# Allegro board S071AA-0413-20260427.brd (continued)
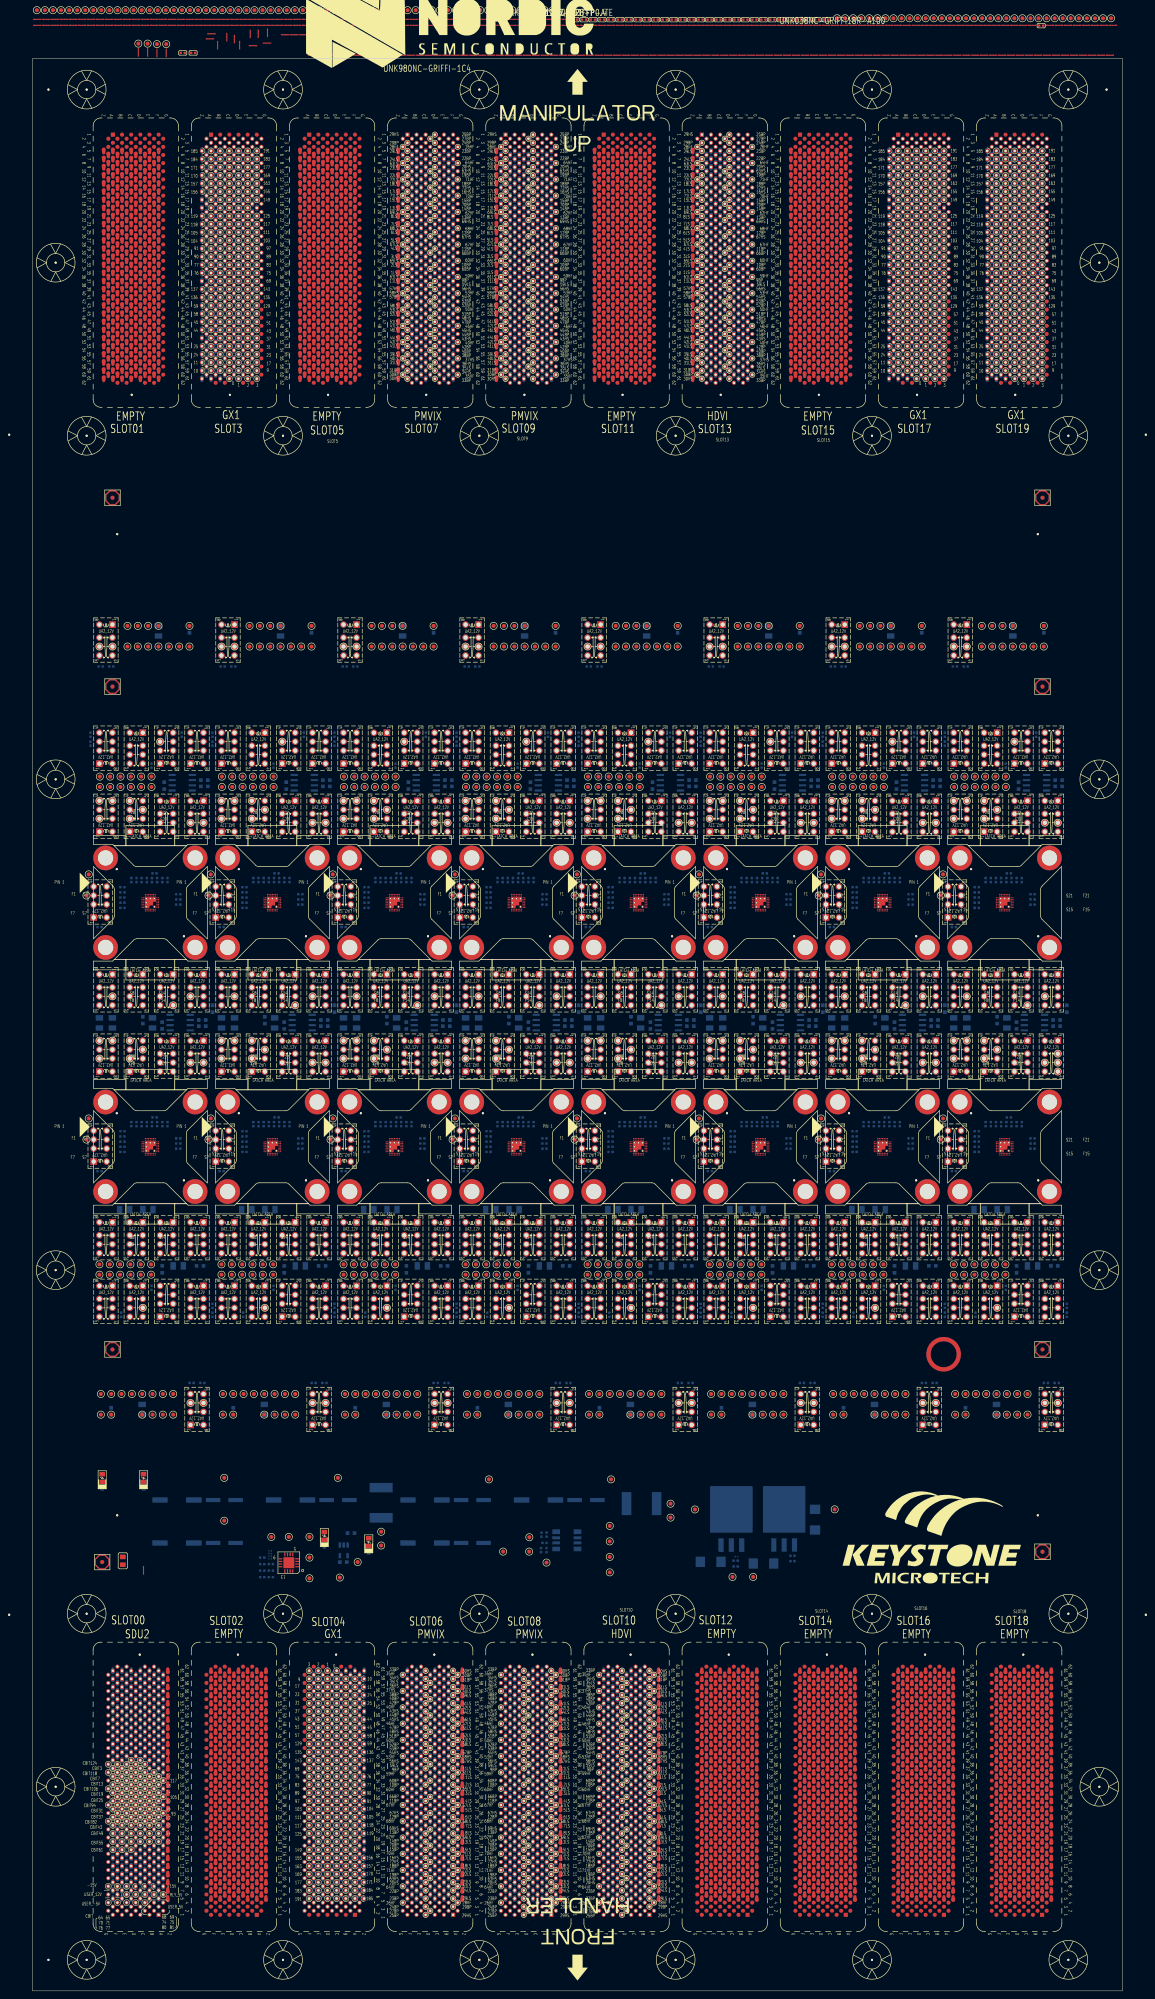
[diagram p0: board, top side]
## Placement (name value [footprint] x y rotation side) (continued)
NOREF#1213  -  []  181.39 301.68 0 top
NOREF#1214  -  []  74.65 82.65 0 top
NOREF#1215  -  []  121.39 233.58 0 top
NOREF#1216  -  []  199.93 18.69 90 top
NOREF#1217  -  []  42.06 165.7 90 top
NOREF#1218  -  []  107.21 143.34 90 top
NOREF#1219  -  []  139.67 183.53 90 top
NOREF#1220  -  []  58.35 267.84 45 top
NOREF#1221  -  []  87.79 209.51 0 top
NOREF#1222  -  []  225.06 209.26 90 top
NOREF#1223  -  []  224.98 281.49 90 top
NOREF#1224  -  []  164.98 250.99 90 top
NOREF#1225  -  []  185.02 284.14 0 top
NOREF#1226  -  []  162.06 185.73 90 top
NOREF#1227  -  []  38.51 115.65 0 top
NOREF#1228  -  []  42.06 246.67 90 top
NOREF#1229  -  []  162.48 225.18 0 top
NOREF#1230  -  []  57.36 208.69 0 top
NOREF#1231  -  []  244.59 181.33 90 top
NOREF#1232  -  []  166.47 301.68 0 top
NOREF#1233  -  []  33.61 203.06 0 top
NOREF#1234  -  []  180.33 266.14 90 top
NOREF#1235  -  []  77.99 196.49 90 top
NOREF#1236  -  []  247.23 259.24 90 top
NOREF#1237  -  []  44.99 223.99 0 top
NOREF#1238  -  []  40.9 179.68 90 top
NOREF#1239  -  []  56.96 268.69 0 top
NOREF#1240  -  []  127.55 263.78 0 top
NOREF#1241  -  []  151.39 292.54 0 top
NOREF#1242  -  []  199.67 332.66 90 top
NOREF#1243  -  []  136.47 229.18 90 top
NOREF#1244  -  []  132.06 165.7 90 top
NOREF#1245  -  []  127.41 115.65 0 top
NOREF#1246  -  []  79.67 244.47 90 top
NOREF#1247  -  []  49.67 332.66 90 top
NOREF#1248  -  []  158.86 139.12 90 top
NOREF#1249  -  []  89.29 267.51 45 top
NOREF#1250  -  []  82.99 188.49 90 top
NOREF#1251  -  []  153.41 293.34 0 top
NOREF#1252  -  []  233.93 173.3 0 top
NOREF#1253  -  []  46.47 301.68 0 top
NOREF#1254  -  []  150.18 265.47 90 top
NOREF#1255  -  []  68.39 253.49 45 top
NOREF#1256  -  []  162.06 246.67 90 top
NOREF#1257  -  []  23.93 231.38 90 top
NOREF#1258  -  []  78.36 164.05 90 top
NOREF#1259  -  []  192.06 181.33 90 top
NOREF#1260  -  []  136.47 288.14 90 top
NOREF#1261  -  []  145.7 198.99 90 top
NOREF#1262  -  []  181.39 171.1 90 top
NOREF#1263  -  []  203.38 284.14 90 top
NOREF#1264  -  []  188.31 138.32 90 top
NOREF#1265  -  []  19.67 332.66 90 top
NOREF#1266  -  []  237.13 244.47 90 top
NOREF#1267  -  []  217.23 259.24 90 top
NOREF#1268  -  []  28.65 266.87 45 top
NOREF#1269  -  []  153.43 179.68 90 top
NOREF#1270  -  []  196.47 188.93 0 top
NOREF#1271  -  []  235.94 189.73 0 top
NOREF#1272  -  []  224.51 263.06 90 top
NOREF#1273  -  []  31.01 266.69 90 top
NOREF#1274  -  []  25.39 17.15 0 top
NOREF#1275  -  []  43.9 18.69 0 top
NOREF#1276  -  []  19.67 328.26 90 top
NOREF#1277  -  []  109.67 183.53 90 top
NOREF#1278  -  []  194.98 221.49 90 top
NOREF#1279  -  []  98.86 304.88 90 top
NOREF#1280  -  []  55.7 258.99 90 top
NOREF#1281  -  []  121.91 17.2 0 top
NOREF#1282  -  []  192.06 225.98 90 top
NOREF#1283  -  []  237.41 300.88 0 top
NOREF#1284  -  []  115.94 250.67 0 top
NOREF#1285  -  []  138.48 189.73 0 top
NOREF#1286  -  []  180.67 176.51 90 top
NOREF#1287  -  []  221.4 298.06 90 top
NOREF#1288  -  []  63.43 164.05 90 top
NOREF#1289  -  []  63.41 189.73 0 top
NOREF#1290  -  []  217.23 199.24 90 top
NOREF#1291  -  []  154.59 287.14 90 top
NOREF#1292  -  []  149.32 208.11 315 top
NOREF#1293  -  []  31.36 110.11 0 top
NOREF#1294  -  []  192.06 284.94 90 top
NOREF#1295  -  []  158.39 193.49 45 top
NOREF#1296  -  []  107.99 196.49 90 top
NOREF#1297  -  []  46.47 284.94 0 top
NOREF#1298  -  []  132.06 289.34 90 top
NOREF#1299  -  []  109.67 242.27 90 top
NOREF#1300  -  []  252.06 289.34 90 top
NOREF#1301  -  []  198.48 189.73 0 top
NOREF#1302  -  []  196.47 173.3 0 top
NOREF#1303  -  []  151.01 266.29 90 top
NOREF#1304  -  []  81.53 76.69 90 top
NOREF#1305  -  []  177.41 138.32 0 top
NOREF#1306  -  []  117.64 268.84 0 top
NOREF#1307  -  []  57.82 107.84 0 top
NOREF#1308  -  []  240.84 164.9 90 top
NOREF#1309  -  []  57.82 106.54 0 top
NOREF#1310  -  []  172.98 248.49 90 top
NOREF#1311  -  []  113.93 225.98 90 top
NOREF#1312  -  []  68.86 139.12 0 top
NOREF#1313  -  []  27.13 303.88 90 top
NOREF#1314  -  []  104.51 263.06 90 top
NOREF#1315  -  []  258.36 224.33 90 top
NOREF#1316  -  []  207.13 170.1 90 top
NOREF#1317  -  []  233.38 225.18 90 top
NOREF#1318  -  []  52.99 248.49 0 top
NOREF#1319  -  []  193.01 240.57 90 top
NOREF#1320  -  []  211.39 301.68 90 top
NOREF#1321  -  []  74.99 253.49 90 top
NOREF#1322  -  []  76.47 225.98 90 top
NOREF#1323  -  []  222.06 170.1 90 top
NOREF#1324  -  []  16.15 123.41 90 top
NOREF#1325  -  []  211.39 168.9 90 top
NOREF#1326  -  []  118.35 207.84 45 top
NOREF#1327  -  []  213.43 240.62 90 top
NOREF#1328  -  []  130.49 14.59 90 top
NOREF#1329  -  []  188.86 249.87 0 top
NOREF#1330  -  []  237.13 170.1 90 top
NOREF#1331  -  []  248.86 188.93 0 top
NOREF#1332  -  []  15.06 207.06 90 top
NOREF#1333  -  []  169.67 167.9 90 top
NOREF#1334  -  []  222.06 225.98 90 top
NOREF#1335  -  []  181.16 295.41 90 top
NOREF#1336  -  []  14.99 190.99 90 top
NOREF#1337  -  []  113.93 225.98 0 top
NOREF#1338  -  []  167.98 256.49 90 top
NOREF#1339  -  []  154.59 228.18 90 top
NOREF#1340  -  []  147.13 301.68 90 top
NOREF#1341  -  []  164.98 253.49 90 top
NOREF#1342  -  []  151.39 188.93 0 top
NOREF#1343  -  []  85.94 189.73 0 top
NOREF#1344  -  []  138.36 179.68 90 top
NOREF#1345  -  []  45.92 284.14 90 top
NOREF#1346  -  []  87.36 208.69 0 top
NOREF#1347  -  []  42.48 284.14 0 top
NOREF#1348  -  []  222.06 287.14 90 top
NOREF#1349  -  []  63.41 250.67 0 top
NOREF#1350  -  []  101.4 296.54 90 top
NOREF#1351  -  []  138.36 240.62 90 top
NOREF#1352  -  []  117.13 185.73 90 top
NOREF#1353  -  []  23.93 225.98 90 top
NOREF#1354  -  []  133.3 120.65 0 top
NOREF#1355  -  []  61.01 266.69 90 top
NOREF#1356  -  []  135.92 225.18 90 top
NOREF#1357  -  []  127.53 113.67 0 top
NOREF#1358  -  []  183.43 179.68 90 top
NOREF#1359  -  []  117.13 246.67 90 top
NOREF#1360  -  []  235.94 234.38 0 top
NOREF#1361  -  []  138.48 174.1 0 top
NOREF#1362  -  []  83.93 229.18 90 top
NOREF#1363  -  []  136.47 284.94 90 top
NOREF#1364  -  []  117.41 300.88 0 top
NOREF#1365  -  []  188.86 304.88 90 top
NOREF#1366  -  []  235.94 250.67 0 top
NOREF#1367  -  []  145.97 240.62 90 top
NOREF#1368  -  []  140.43 396.29 0 top
NOREF#1369  -  []  105.06 263.86 0 top
NOREF#1370  -  []  72.06 246.67 90 top
NOREF#1371  -  []  220.89 224.33 90 top
NOREF#1372  -  []  92.32 110.11 0 top
NOREF#1373  -  []  31.4 188.93 0 top
NOREF#1374  -  []  233.93 284.94 90 top
NOREF#1375  -  []  224.98 283.99 0 top
NOREF#1376  -  []  57.13 167.9 90 top
NOREF#1377  -  []  94.59 242.27 90 top
NOREF#1378  -  []  76.47 288.14 90 top
NOREF#1379  -  []  102.06 185.73 90 top
NOREF#1380  -  []  192.06 289.34 90 top
NOREF#1381  -  []  241.39 304.88 90 top
NOREF#1382  -  []  120.67 176.51 90 top
NOREF#1383  -  []  45.06 203.86 90 top
NOREF#1384  -  []  91.16 295.41 90 top
NOREF#1385  -  []  213.41 293.34 0 top
NOREF#1386  -  []  221.02 189.73 0 top
NOREF#1387  -  []  195.92 300.88 90 top
NOREF#1388  -  []  47.99 218.49 0 top
NOREF#1389  -  []  207.13 303.88 90 top
NOREF#1390  -  []  57.13 183.53 90 top
NOREF#1391  -  []  142.98 188.49 90 top
NOREF#1392  -  []  110.74 275.74 0 top
NOREF#1393  -  []  179.38 269.51 0 top
NOREF#1394  -  []  42.06 170.1 90 top
NOREF#1395  -  []  169.67 328.26 90 top
NOREF#1396  -  []  244.59 183.53 90 top
NOREF#1397  -  []  124.59 246.67 90 top
NOREF#1398  -  []  27.36 208.69 0 top
NOREF#1399  -  []  117.36 208.69 0 top
NOREF#1400  -  []  87.13 246.67 90 top
NOREF#1401  -  []  38.86 304.88 90 top
NOREF#1402  -  []  253.01 240.57 90 top
NOREF#1403  -  []  191.02 250.67 0 top
NOREF#1404  -  []  38.86 188.93 0 top
NOREF#1405  -  []  108.36 240.62 90 top
NOREF#1406  -  []  70.89 224.33 90 top
NOREF#1407  -  []  131.02 189.73 0 top
NOREF#1408  -  []  16.47 229.18 90 top
NOREF#1409  -  []  78.36 224.33 90 top
NOREF#1410  -  []  41.02 189.73 0 top
NOREF#1411  -  []  235.7 258.99 90 top
NOREF#1412  -  []  123.41 234.38 0 top
NOREF#1413  -  []  27.13 301.68 90 top
NOREF#1414  -  []  118.37 207.15 315 top
NOREF#1415  -  []  143.93 173.3 0 top
NOREF#1416  -  []  196.47 231.38 90 top
NOREF#1417  -  []  26.31 127.85 0 top
NOREF#1418  -  []  49.67 170.1 90 top
NOREF#1419  -  []  34.6 228.18 90 top
NOREF#1420  -  []  42.06 244.47 90 top
NOREF#1421  -  []  179.38 209.51 0 top
NOREF#1422  -  []  75.06 203.86 0 top
NOREF#1423  -  []  112.99 248.49 0 top
NOREF#1424  -  []  120.65 236.45 90 top
NOREF#1425  -  []  236.95 456.29 0 top
NOREF#1426  -  []  195.06 269.26 90 top
NOREF#1427  -  []  91.01 206.29 90 top
NOREF#1428  -  []  135.06 263.86 90 top
NOREF#1429  -  []  194.98 253.49 90 top
NOREF#1430  -  []  207.13 244.47 90 top
NOREF#1431  -  []  27.13 244.47 90 top
NOREF#1432  -  []  218.86 144.52 90 top
NOREF#1433  -  []  17.99 196.49 90 top
NOREF#1434  -  []  128.86 301.68 90 top
NOREF#1435  -  []  0 474.98 0 top
NOREF#1436  -  []  161.02 189.73 0 top
NOREF#1437  -  []  60.84 164.9 90 top
NOREF#1438  -  []  191.02 189.73 0 top
NOREF#1439  -  []  248.86 301.68 0 top
NOREF#1440  -  []  46.47 173.3 0 top
NOREF#1441  -  []  225.06 267.06 90 top
NOREF#1442  -  []  20.49 270.77 0 top
NOREF#1443  -  []  150.18 265.86 90 top
NOREF#1444  -  []  225.06 203.86 90 top
NOREF#1445  -  []  102.06 242.27 90 top
NOREF#1446  -  []  168.48 174.1 0 top
NOREF#1447  -  []  199.67 328.26 90 top
NOREF#1448  -  []  28.53 240.62 90 top
NOREF#1449  -  []  58.37 267.15 315 top
NOREF#1450  -  []  74.51 203.06 90 top
NOREF#1451  -  []  95.02 300.88 0 top
NOREF#1452  -  []  178.44 389.27 90 top
NOREF#1453  -  []  160.9 237.58 90 top
NOREF#1454  -  []  72.06 183.53 90 top
NOREF#1455  -  []  198.48 310.08 0 top
NOREF#1456  -  []  77.04 456.29 0 top
NOREF#1457  -  []  49.67 165.7 90 top
NOREF#1458  -  []  214.59 246.67 90 top
NOREF#1459  -  []  42.06 242.27 90 top
NOREF#1460  -  []  81.92 389.27 90 top
NOREF#1461  -  []  187.23 199.24 90 top
NOREF#1462  -  []  205.97 240.62 90 top
NOREF#1463  -  []  250.89 237.58 90 top
NOREF#1464  -  []  258.36 240.62 90 top
NOREF#1465  -  []  222.06 284.94 90 top
NOREF#1466  -  []  155.02 300.88 0 top
NOREF#1467  -  []  42.06 181.33 90 top
NOREF#1468  -  []  218.86 139.12 90 top
NOREF#1469  -  []  207.78 269.51 0 top
NOREF#1470  -  []  202.98 248.49 90 top
NOREF#1471  -  []  158.31 138.32 90 top
NOREF#1472  -  []  153.61 263.06 0 top
NOREF#1473  -  []  93.43 164.05 90 top
NOREF#1474  -  []  218.86 139.12 0 top
NOREF#1475  -  []  117.79 209.51 0 top
NOREF#1476  -  []  138.36 164.05 90 top
NOREF#1477  -  []  147.79 209.51 0 top
NOREF#1478  -  []  17.99 256.49 90 top
NOREF#1479  -  []  123.41 293.34 0 top
NOREF#1480  -  []  164.56 456.29 90 top
NOREF#1481  -  []  47.99 196.49 90 top
NOREF#1482  -  []  58.35 207.84 315 top
NOREF#1483  -  []  235.7 198.99 90 top
NOREF#1484  -  []  123.43 179.68 90 top
NOREF#1485  -  []  42.06 287.14 90 top
NOREF#1486  -  []  184.59 287.14 90 top
NOREF#1487  -  []  135.06 267.06 90 top
NOREF#1488  -  []  19.67 181.33 90 top
NOREF#1489  -  []  247.55 263.78 0 top
NOREF#1490  -  []  162.06 244.47 90 top
NOREF#1491  -  []  135.06 203.86 0 top
NOREF#1492  -  []  68.86 292.54 0 top
NOREF#1493  -  []  98.86 188.93 0 top
NOREF#1494  -  []  70.9 237.58 90 top
NOREF#1495  -  []  31.4 301.68 0 top
NOREF#1496  -  []  169.94 164.9 0 top
NOREF#1497  -  []  175.97 326.61 90 top
NOREF#1498  -  []  211.39 165.7 90 top
NOREF#1499  -  []  30 300.03 90 top
NOREF#1500  -  []  139.67 170.1 90 top
NOREF#1501  -  []  27.13 167.9 90 top
NOREF#1502  -  []  239.32 208.11 315 top
NOREF#1503  -  []  79.67 183.53 90 top
NOREF#1504  -  []  23.93 290.34 90 top
NOREF#1505  -  []  59.39 209.51 0 top
NOREF#1506  -  []  107.99 256.49 90 top
NOREF#1507  -  []  106.47 188.93 0 top
NOREF#1508  -  []  74.99 221.49 90 top
NOREF#1509  -  []  197.98 218.49 0 top
NOREF#1510  -  []  13.66 262.21 0 top
NOREF#1511  -  []  185.02 300.88 0 top
NOREF#1512  -  []  162.06 183.53 90 top
NOREF#1513  -  []  173.38 225.18 90 top
NOREF#1514  -  []  48.48 250.67 0 top
NOREF#1515  -  []  241.39 307.08 90 top
NOREF#1516  -  []  46.47 290.34 90 top
NOREF#1517  -  []  211.68 19.69 90 top
NOREF#1518  -  []  70.76 113.63 0 top
NOREF#1519  -  []  74.51 263.06 90 top
NOREF#1520  -  []  191.02 336.66 0 top
NOREF#1521  -  []  19.67 330.46 90 top
NOREF#1522  -  []  207.13 181.33 90 top
NOREF#1523  -  []  162.06 170.1 90 top
NOREF#1524  -  []  61.4 301.68 90 top
NOREF#1525  -  []  23.93 188.93 0 top
NOREF#1526  -  []  226.47 301.68 0 top
NOREF#1527  -  []  134.98 221.49 90 top
NOREF#1528  -  []  153.61 203.06 0 top
NOREF#1529  -  []  101.17 456.29 0 top
NOREF#1530  -  []  68.66 177.76 90 top
NOREF#1531  -  []  29.32 208.11 315 top
NOREF#1532  -  []  38.86 249.87 0 top
NOREF#1533  -  []  76.47 335.86 0 top
NOREF#1534  -  []  135.06 207.06 90 top
NOREF#1535  -  []  31.4 165.7 90 top
NOREF#1536  -  []  150.33 266.14 90 top
NOREF#1537  -  []  199.94 164.9 0 top
NOREF#1538  -  []  39.06 458.49 0 top
NOREF#1539  -  []  251.16 389.27 90 top
NOREF#1540  -  []  72.06 284.94 90 top
NOREF#1541  -  []  178.35 267.84 315 top
NOREF#1542  -  []  222.06 289.34 90 top
NOREF#1543  -  []  15.07 251.52 0 top
NOREF#1544  -  []  46.47 231.38 90 top
NOREF#1545  -  []  42.61 174.1 0 top
NOREF#1546  -  []  113.93 309.28 0 top
NOREF#1547  -  []  206.96 268.69 0 top
NOREF#1548  -  []  127.23 259.24 90 top
NOREF#1549  -  []  210.33 206.14 90 top
NOREF#1550  -  []  166.47 307.08 90 top
NOREF#1551  -  []  192.06 165.7 90 top
NOREF#1552  -  []  177.13 165.7 90 top
NOREF#1553  -  []  25.7 258.99 90 top
NOREF#1554  -  []  237.13 303.88 90 top
NOREF#1555  -  []  228.36 179.68 90 top
NOREF#1556  -  []  115.88 237.76 90 top
NOREF#1557  -  []  166.47 225.98 90 top
NOREF#1558  -  []  49.95 300.88 0 top
NOREF#1559  -  []  218.86 142.32 90 top
NOREF#1560  -  []  207.13 306.08 90 top
NOREF#1561  -  []  244.59 284.94 90 top
NOREF#1562  -  []  98.66 177.76 90 top
NOREF#1563  -  []  177.13 167.9 90 top
NOREF#1564  -  []  103.42 454.29 90 top
NOREF#1565  -  []  73.65 17.15 90 top
NOREF#1566  -  []  229.67 167.9 90 top
NOREF#1567  -  []  145.94 250.67 0 top
NOREF#1568  -  []  71.02 189.73 0 top
NOREF#1569  -  []  218.66 177.76 90 top
NOREF#1570  -  []  175.94 293.34 0 top
NOREF#1571  -  []  228.36 240.62 90 top
NOREF#1572  -  []  125.02 225.18 0 top
NOREF#1573  -  []  233.93 249.87 0 top
NOREF#1574  -  []  197.98 256.49 90 top
NOREF#1575  -  []  203.93 231.38 90 top
NOREF#1576  -  []  45.06 267.06 90 top
NOREF#1577  -  []  117.13 242.27 90 top
NOREF#1578  -  []  23.93 173.3 0 top
NOREF#1579  -  []  207.63 268.84 0 top
NOREF#1580  -  []  165.06 263.86 0 top
NOREF#1581  -  []  38.86 139.12 90 top
NOREF#1582  -  []  88.37 207.15 315 top
NOREF#1583  -  []  94.59 284.94 90 top
NOREF#1584  -  []  183.43 164.05 90 top
NOREF#1585  -  []  92.32 120.65 0 top
NOREF#1586  -  []  196.47 284.94 90 top
NOREF#1587  -  []  109.94 300.88 0 top
NOREF#1588  -  []  175.7 198.99 90 top
NOREF#1589  -  []  151.01 206.29 90 top
NOREF#1590  -  []  241.01 266.29 90 top
NOREF#1591  -  []  190.89 240.62 90 top
NOREF#1592  -  []  120.26 120.65 0 top
NOREF#1593  -  []  75.06 263.86 0 top
NOREF#1594  -  []  147.13 244.47 90 top
NOREF#1595  -  []  218.39 253.49 45 top
NOREF#1596  -  []  77.03 18.69 0 top
NOREF#1597  -  []  23.93 309.28 0 top
NOREF#1598  -  []  112.99 188.49 0 top
NOREF#1599  -  []  196.47 288.14 90 top
NOREF#1600  -  []  211.39 188.93 0 top
NOREF#1601  -  []  101.02 189.73 0 top
NOREF#1602  -  []  116.96 208.69 0 top
NOREF#1603  -  []  85.97 326.61 90 top
NOREF#1604  -  []  167.98 278.49 0 top
NOREF#1605  -  []  87.13 181.33 90 top
NOREF#1606  -  []  172.98 188.49 0 top
NOREF#1607  -  []  211.39 233.58 0 top
NOREF#1608  -  []  191.02 174.1 0 top
NOREF#1609  -  []  109.67 328.26 90 top
NOREF#1610  -  []  115.94 189.73 0 top
NOREF#1611  -  []  214.59 289.34 90 top
NOREF#1612  -  []  217.55 263.78 0 top
NOREF#1613  -  []  83.93 290.34 90 top
NOREF#1614  -  []  188.69 456.29 90 top
NOREF#1615  -  []  169.67 165.7 90 top
NOREF#1616  -  []  130.89 224.33 90 top
NOREF#1617  -  []  208.35 207.84 45 top
NOREF#1618  -  []  207.13 242.27 90 top
NOREF#1619  -  []  151.39 301.68 0 top
NOREF#1620  -  []  98.86 142.32 90 top
NOREF#1621  -  []  23.93 249.87 0 top
NOREF#1622  -  []  117.13 181.33 90 top
NOREF#1623  -  []  38.66 177.76 90 top
NOREF#1624  -  []  197.69 456.29 0 top
NOREF#1625  -  []  177.79 269.51 0 top
NOREF#1626  -  []  83.93 249.87 0 top
NOREF#1627  -  []  59.02 107.19 90 top
NOREF#1628  -  []  31.01 206.29 90 top
NOREF#1629  -  []  143.93 225.98 90 top
NOREF#1630  -  []  228.36 164.05 90 top
NOREF#1631  -  []  63.43 240.62 90 top
NOREF#1632  -  []  100.9 237.58 90 top
NOREF#1633  -  []  128.86 139.12 90 top
NOREF#1634  -  []  19.78 456.29 90 top
NOREF#1635  -  []  98.86 173.3 0 top
NOREF#1636  -  []  22.99 248.49 90 top
NOREF#1637  -  []  199.67 185.73 90 top
NOREF#1638  -  []  50.52 82.65 0 top
NOREF#1639  -  []  64.59 242.27 90 top
NOREF#1640  -  []  106.47 225.98 0 top
NOREF#1641  -  []  14.93 458.49 0 top
NOREF#1642  -  []  11.63 164.05 90 top
NOREF#1643  -  []  50.74 215.74 0 top
NOREF#1644  -  []  172.76 106.73 0 top
NOREF#1645  -  []  139.94 164.9 0 top
NOREF#1646  -  []  222.48 284.14 0 top
NOREF#1647  -  []  64.59 287.14 90 top
NOREF#1648  -  []  28.78 456.29 0 top
NOREF#1649  -  []  72.06 170.1 90 top
NOREF#1650  -  []  47.99 256.49 90 top
NOREF#1651  -  []  25.7 198.99 90 top
NOREF#1652  -  []  151.39 168.9 90 top
NOREF#1653  -  []  202.98 188.49 90 top
NOREF#1654  -  []  236.95 396.29 0 top
NOREF#1655  -  []  34.6 181.33 90 top
NOREF#1656  -  []  79.94 300.88 0 top
NOREF#1657  -  []  244.59 228.18 90 top
NOREF#1658  -  []  45.92 300.88 90 top
NOREF#1659  -  []  94.59 289.34 90 top
NOREF#1660  -  []  190.47 111.76 0 top
NOREF#1661  -  []  85.94 293.34 0 top
NOREF#1662  -  []  225.92 225.18 90 top
NOREF#1663  -  []  89.29 207.51 45 top
NOREF#1664  -  []  97.55 263.78 0 top
NOREF#1665  -  []  74.99 281.49 90 top
NOREF#1666  -  []  46.47 225.98 90 top
NOREF#1667  -  []  148.37 267.15 315 top
NOREF#1668  -  []  115.94 234.38 0 top
NOREF#1669  -  []  130.89 240.62 90 top
NOREF#1670  -  []  118.65 206.87 45 top
NOREF#1671  -  []  76.47 307.08 90 top
NOREF#1672  -  []  82.99 248.49 0 top
NOREF#1673  -  []  83.93 231.38 90 top
NOREF#1674  -  []  128.86 307.08 90 top
NOREF#1675  -  []  59.02 105.89 90 top
NOREF#1676  -  []  66.45 115.65 0 top
NOREF#1677  -  []  238.65 206.87 45 top
NOREF#1678  -  []  57.13 306.08 90 top
NOREF#1679  -  []  258.36 179.68 90 top
NOREF#1680  -  []  127.36 333.84 90 top
NOREF#1681  -  []  26.96 268.69 0 top
NOREF#1682  -  []  123.43 300.03 90 top
NOREF#1683  -  []  147.79 269.51 0 top
NOREF#1684  -  []  151.39 171.1 90 top
NOREF#1685  -  []  188.86 139.12 0 top
NOREF#1686  -  []  251.4 298.06 90 top
NOREF#1687  -  []  68.86 301.68 0 top
NOREF#1688  -  []  105.06 203.86 0 top
NOREF#1689  -  []  161.02 174.1 0 top
NOREF#1690  -  []  243.41 293.34 0 top
NOREF#1691  -  []  168.36 164.05 90 top
NOREF#1692  -  []  102.06 287.14 90 top
NOREF#1693  -  []  166.47 229.18 90 top
NOREF#1694  -  []  196.47 290.34 90 top
NOREF#1695  -  []  59.3 120.65 0 top
NOREF#1696  -  []  196.47 229.18 90 top
NOREF#1697  -  []  78.36 240.62 90 top
NOREF#1698  -  []  241.39 165.7 0 top
NOREF#1699  -  []  149.29 267.51 45 top
NOREF#1700  -  []  199.67 330.46 90 top
NOREF#1701  -  []  236.95 456.29 90 top
NOREF#1702  -  []  197.98 196.49 90 top
NOREF#1703  -  []  81.95 111.4 0 top
NOREF#1704  -  []  168.48 250.67 0 top
NOREF#1705  -  []  132.06 170.1 90 top
NOREF#1706  -  []  177.13 183.53 90 top
NOREF#1707  -  []  109.67 170.1 90 top
NOREF#1708  -  []  23.93 288.14 90 top
NOREF#1709  -  []  59.02 107.84 90 top
NOREF#1710  -  []  173.93 229.18 90 top
NOREF#1711  -  []  154.59 246.67 90 top
NOREF#1712  -  []  91.47 105.11 90 top
NOREF#1713  -  []  93.41 189.73 0 top
NOREF#1714  -  []  217.45 392.33 90 top
NOREF#1715  -  []  192.48 225.18 0 top
NOREF#1716  -  []  147.13 306.08 90 top
NOREF#1717  -  []  57.13 244.47 90 top
NOREF#1718  -  []  136.47 188.93 0 top
NOREF#1719  -  []  229.67 185.73 90 top
NOREF#1720  -  []  123.43 240.62 90 top
NOREF#1721  -  []  222.06 228.18 90 top
NOREF#1722  -  []  74.99 223.99 0 top
NOREF#1723  -  []  85.97 164.05 90 top
NOREF#1724  -  []  244.59 185.73 90 top
NOREF#1725  -  []  158.86 144.52 90 top
NOREF#1726  -  []  85.73 116.29 90 top
NOREF#1727  -  []  226.47 225.98 0 top
NOREF#1728  -  []  159.71 458.49 0 top
NOREF#1729  -  []  194.51 203.06 90 top
NOREF#1730  -  []  166.47 173.3 0 top
NOREF#1731  -  []  232.98 188.49 90 top
NOREF#1732  -  []  211.39 307.08 90 top
NOREF#1733  -  []  161.02 250.67 0 top
NOREF#1734  -  []  121.01 206.29 90 top
NOREF#1735  -  []  196.47 301.68 90 top
NOREF#1736  -  []  130.9 237.58 90 top
NOREF#1737  -  []  213.41 234.38 0 top
NOREF#1738  -  []  227.03 389.27 90 top
NOREF#1739  -  []  137.98 218.49 0 top
NOREF#1740  -  []  226.47 188.93 0 top
NOREF#1741  -  []  115.97 326.61 90 top
NOREF#1742  -  []  135.06 203.86 90 top
NOREF#1743  -  []  183.84 458.49 0 top
NOREF#1744  -  []  44.99 221.49 90 top
NOREF#1745  -  []  27.64 268.84 0 top
NOREF#1746  -  []  34.6 287.14 90 top
NOREF#1747  -  []  53.93 229.18 90 top
NOREF#1748  -  []  208.65 206.87 45 top
NOREF#1749  -  []  105.36 110.11 0 top
NOREF#1750  -  []  237.63 268.84 0 top
NOREF#1751  -  []  16.47 231.38 90 top
NOREF#1752  -  []  218.86 301.68 0 top
NOREF#1753  -  []  212.82 396.29 0 top
NOREF#1754  -  []  227.98 278.49 0 top
NOREF#1755  -  []  108.48 189.73 0 top
NOREF#1756  -  []  211.01 266.69 90 top
NOREF#1757  -  []  83.93 284.94 0 top
NOREF#1758  -  []  82.99 226.49 0 top
NOREF#1759  -  []  31.36 120.65 0 top
NOREF#1760  -  []  38.86 233.58 0 top
NOREF#1761  -  []  42.61 189.73 0 top
NOREF#1762  -  []  68.86 307.08 90 top
NOREF#1763  -  []  164.56 396.29 0 top
NOREF#1764  -  []  192.48 284.14 0 top
NOREF#1765  -  []  162.48 284.14 0 top
NOREF#1766  -  []  137.98 256.49 90 top
NOREF#1767  -  []  138.36 283.29 90 top
NOREF#1768  -  []  57.13 301.68 90 top
NOREF#1769  -  []  241.39 188.93 0 top
NOREF#1770  -  []  68.86 142.32 90 top
NOREF#1771  -  []  134.98 283.99 0 top
NOREF#1772  -  []  237.13 246.67 90 top
NOREF#1773  -  []  91.4 292.54 0 top
NOREF#1774  -  []  42.06 284.94 90 top
NOREF#1775  -  []  91.4 301.68 0 top
NOREF#1776  -  []  157.23 259.24 90 top
NOREF#1777  -  []  42.06 228.18 90 top
NOREF#1778  -  []  238.37 207.15 315 top
NOREF#1779  -  []  198.36 164.05 90 top
NOREF#1780  -  []  68.86 139.12 90 top
NOREF#1781  -  []  79.67 330.46 90 top
NOREF#1782  -  []  163.01 240.57 90 top
NOREF#1783  -  []  50.74 275.74 0 top
NOREF#1784  -  []  83.93 173.3 0 top
NOREF#1785  -  []  61.4 165.7 0 top
NOREF#1786  -  []  57.13 246.67 90 top
NOREF#1787  -  []  248.86 249.87 0 top
NOREF#1788  -  []  76.47 229.18 90 top
NOREF#1789  -  []  136.47 301.68 90 top
NOREF#1790  -  []  74.99 221.49 90 top
NOREF#1791  -  []  181.39 301.68 90 top
NOREF#1792  -  []  49.67 328.26 90 top
NOREF#1793  -  []  113.93 229.18 90 top
NOREF#1794  -  []  120.93 392.33 90 top
NOREF#1795  -  []  241.01 206.69 90 top
NOREF#1796  -  []  128.66 177.76 90 top
NOREF#1797  -  []  92.16 18.69 0 top
NOREF#1798  -  []  58.37 207.15 315 top
NOREF#1799  -  []  72.67 392.33 90 top
NOREF#1800  -  []  210.18 265.47 90 top
NOREF#1801  -  []  147.13 185.73 90 top
NOREF#1802  -  []  14.91 16.49 0 top
NOREF#1803  -  []  75.06 207.06 90 top
NOREF#1804  -  []  15.07 283.29 90 top
NOREF#1805  -  []  37.46 300.03 90 top
NOREF#1806  -  []  241.01 206.29 90 top
NOREF#1807  -  []  207.13 167.9 90 top
NOREF#1808  -  []  203.38 225.18 90 top
NOREF#1809  -  []  150.84 300.88 90 top
NOREF#1810  -  []  70.89 283.29 90 top
NOREF#1811  -  []  121.39 301.68 90 top
NOREF#1812  -  []  143.38 225.18 90 top
NOREF#1813  -  []  140.43 456.29 0 top
NOREF#1814  -  []  177.13 303.88 90 top
NOREF#1815  -  []  205.97 326.61 90 top
NOREF#1816  -  []  167.98 218.49 0 top
NOREF#1817  -  []  106.47 301.68 0 top
NOREF#1818  -  []  135.58 458.49 0 top
NOREF#1819  -  []  217.55 203.78 0 top
NOREF#1820  -  []  59.32 268.11 315 top
NOREF#1821  -  []  173.93 188.93 0 top
NOREF#1822  -  []  27.79 209.51 0 top
NOREF#1823  -  []  16.42 127.15 0 top
NOREF#1824  -  []  124.59 244.47 90 top
NOREF#1825  -  []  30.19 205.47 90 top
NOREF#1826  -  []  210.67 176.51 90 top
NOREF#1827  -  []  44.99 193.49 90 top
NOREF#1828  -  []  252.06 167.9 90 top
NOREF#1829  -  []  177.13 181.33 90 top
NOREF#1830  -  []  164.51 263.06 90 top
NOREF#1831  -  []  98.31 300.88 90 top
NOREF#1832  -  []  94.59 228.18 90 top
NOREF#1833  -  []  199.67 170.1 90 top
NOREF#1834  -  []  177.13 306.08 90 top
NOREF#1835  -  []  49.52 17.15 0 top
NOREF#1836  -  []  132.06 185.73 90 top
NOREF#1837  -  []  118.37 267.15 315 top
NOREF#1838  -  []  147.36 268.69 0 top
NOREF#1839  -  []  29.39 209.51 0 top
NOREF#1840  -  []  196.47 225.98 0 top
NOREF#1841  -  []  136.47 225.98 0 top
NOREF#1842  -  []  207.13 183.53 90 top
NOREF#1843  -  []  79.67 167.9 90 top
NOREF#1844  -  []  134.98 223.99 0 top
NOREF#1845  -  []  209.38 269.51 0 top
NOREF#1846  -  []  229.67 332.66 90 top
NOREF#1847  -  []  117.13 306.08 90 top
NOREF#1848  -  []  151.67 18.69 90 top